# Altium PCB 电解模块主控板_V1.1_ZM_20211015.PcbDoc (part 1 of 4) (continued)
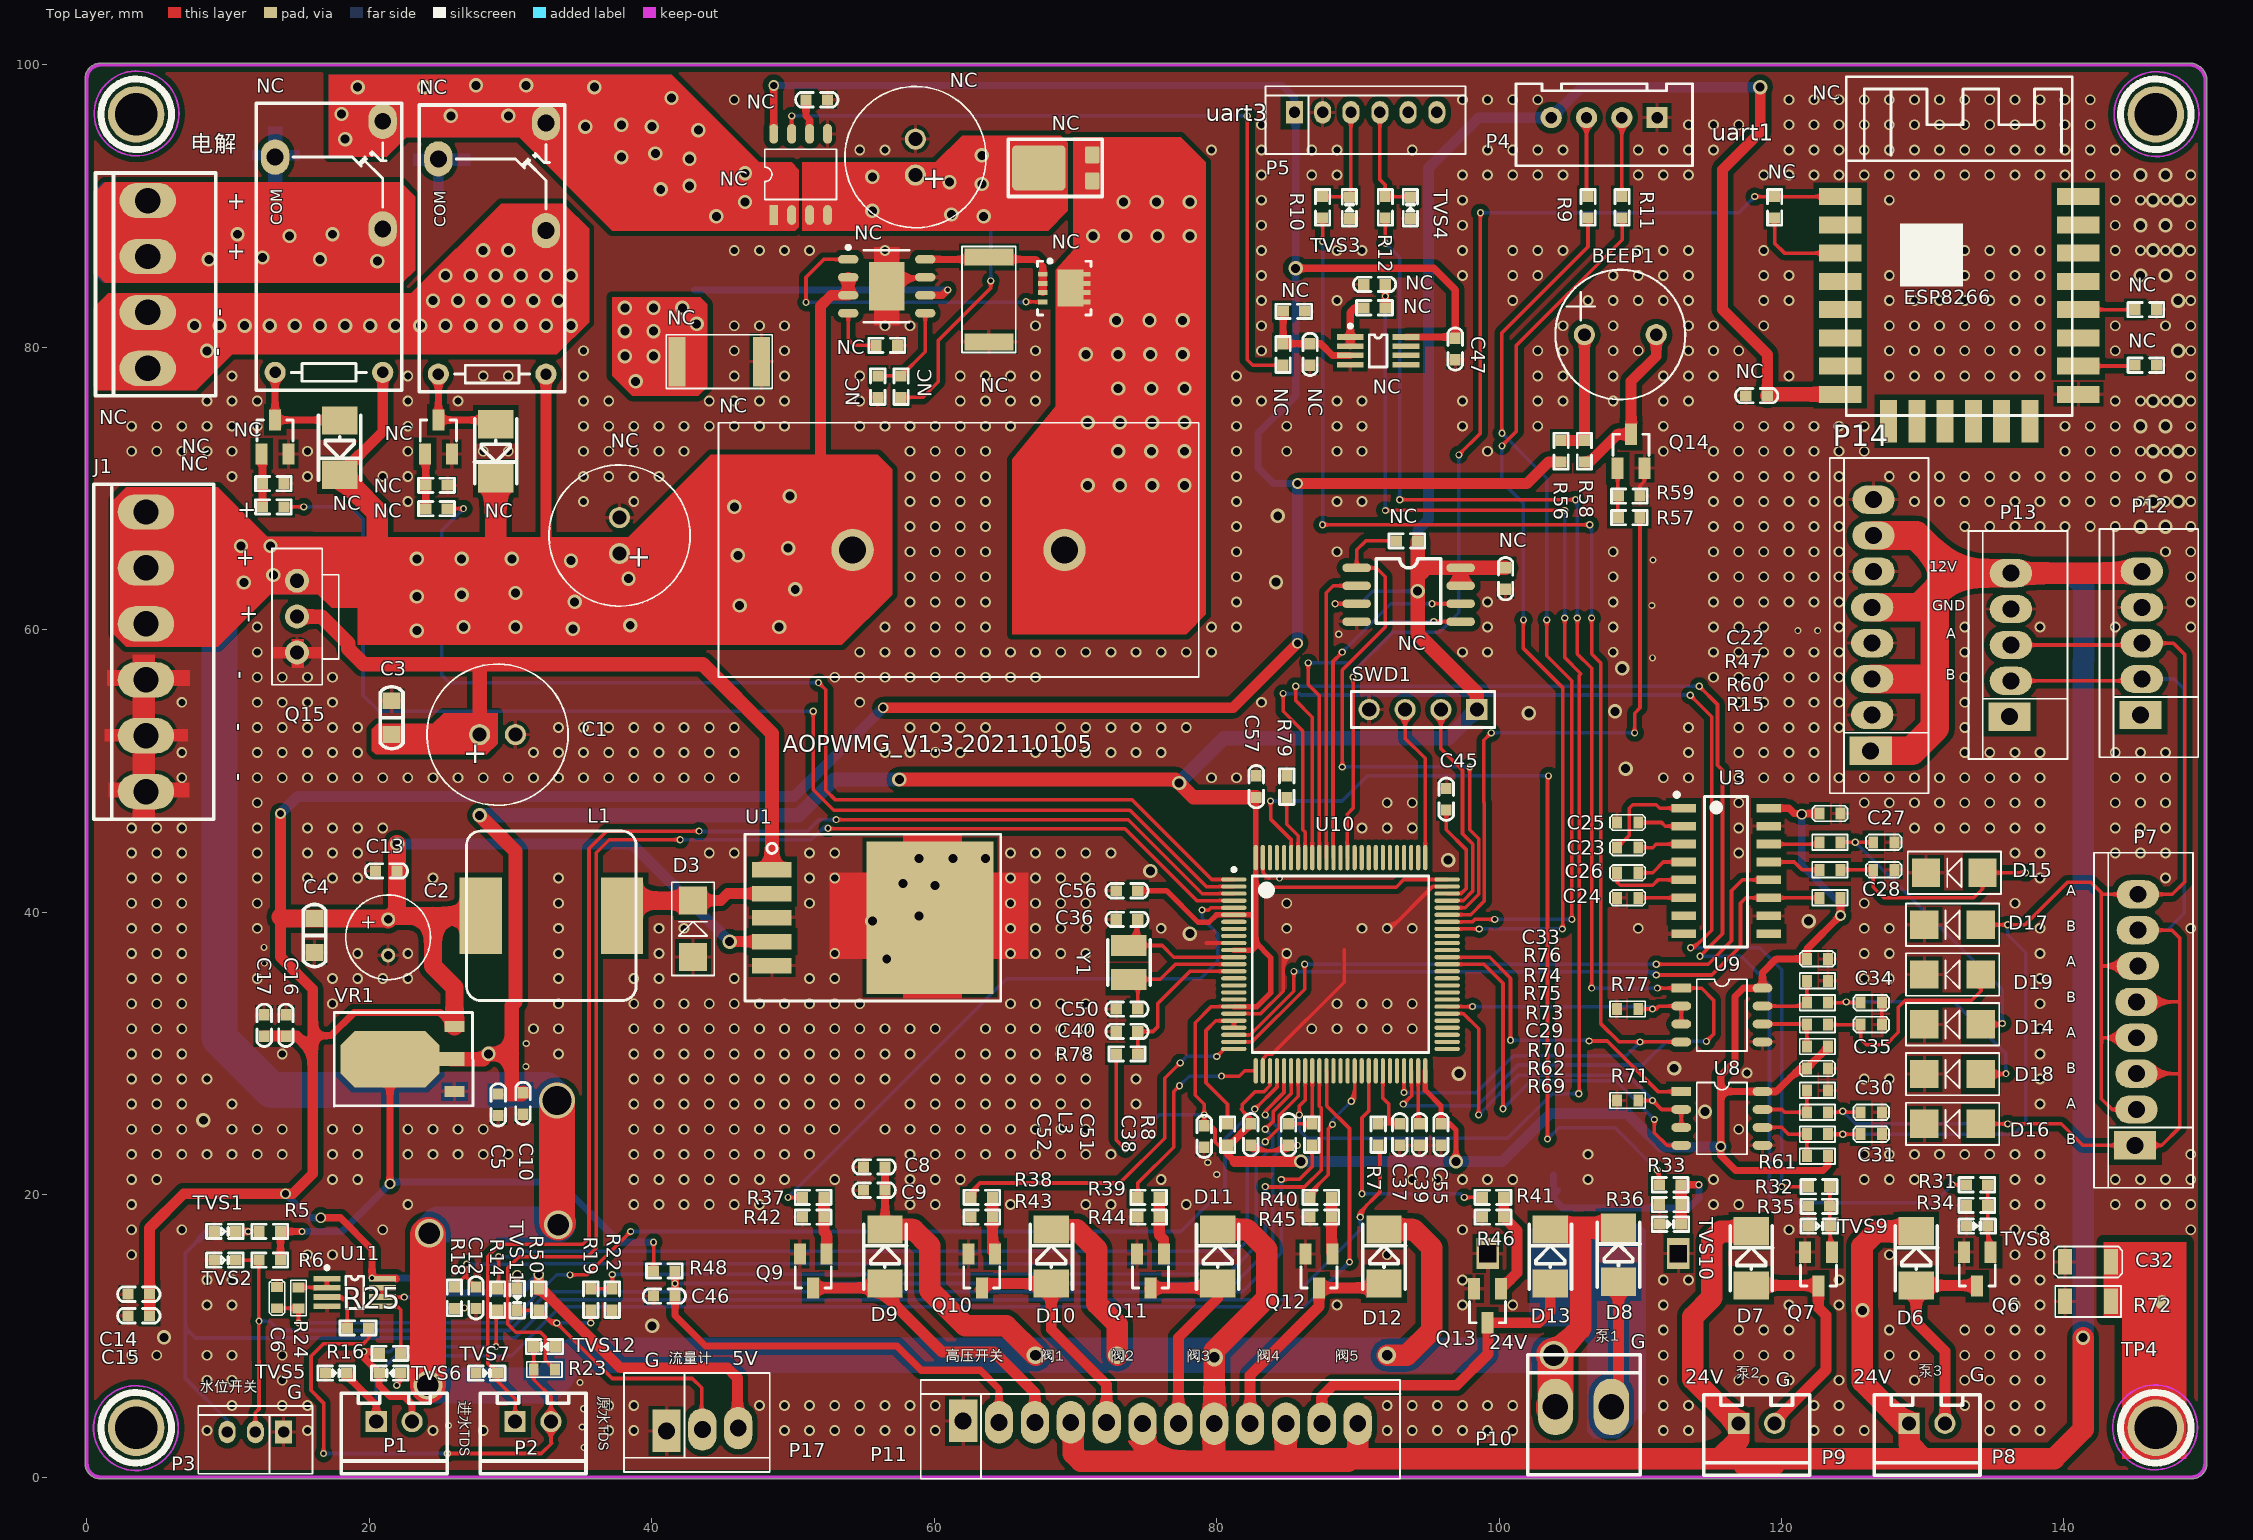
[diagram p0: Top Layer view]
## Components (designator, comment, footprint, x,y, rotation, side; value= is the part's Value field where it differs from the comment) (continued)
NC "10K" SMD-0603 85.471,82.55 r180 top
P1 "XH2.54 2P" SIP-2A 21.768,3.937 r0 top
P2 "XH2.54 2P" SIP-2A 31.598,3.937 r0 top
P3 "1*3P" 3X2MMZ 13.938,3.2 r180 top
P4 "1*4P" XH2.54-4A 107.442,96.266 r180 top
P5 "Header 6" 6X2MMZ 85.511,96.641 r0 top
P7 "Header 8" 8X2.54MMZ 145.034,23.495 r90 top
P8 "SIP-2" SIP-2A 130.302,3.81 r0 top
P9 "SIP-2" SIP-2A 118.237,3.81 r0 top
P10 "SIP-2" VH-AW-3.96*2P 109.93,4.978 r0 top
P11 "Header 12" 12X2.54MMZ 62.052,3.988 r0 top
P12 "Header 5" 5X2.54MMZ 145.415,53.975 r90 top
P13 "Header 5" 5X2.54MMZ 136.144,53.848 r90 top
P14 "Header 8" 8X2.54MMZ 126.316,51.435 r90 top
P17 "1*3P" 3X2.54MMZ2 41.046,3.277 r0 top
Q6 "AO3400" SOT-23 133.858,14.732 r180 top
Q7 "AO3400" SOT-23 122.618,14.732 r180 top
Q8 "AOD538" TO252 106.135,14.284 r0 bottom
Q9 "LH8050QLT1G" SOT-23 51.435,14.605 r180 top
Q10 "LH8050QLT1G" SOT-23 63.373,14.605 r180 top
Q11 "LH8050QLT1G" SOT-23 75.311,14.605 r180 top
Q12 "LH8050QLT1G" SOT-23 87.249,14.605 r180 top
Q13 "LH8050QLT1G" SOT-23 99.187,12.141 r180 top
Q14 "S8050" SOT-23 109.347,72.644 r0 top
Q15 "AOTF4185" TO220 14.884,58.395 r90 top
R5 "10K" SMD-0603 12.954,17.399 r180 top
R6 "10K" SMD-0603 12.954,15.367 r180 top
R7 "10K" SMD-0603 91.44,24.257 r90 top
R8 "10K" SMD-0603 86.741,24.257 r90 top
R9 "10R" SMD-0603 106.299,89.916 r270 top
R10 "100R" SMD-0603 87.503,89.916 r270 top
R11 "10R" SMD-0603 108.712,89.916 r270 top
R12 "100R" SMD-0603 91.948,89.916 r270 top
R14 "2K" SMD-0603 29.083,12.573 r270 top
R15 "4.75K 1%" 0603R 124.182,41.021 r180 top
R16 "10K" SMD-0603 21.463,8.763 r0 top
R18 "4.7K" SMD-0603 26.035,12.7 r270 top
R19 "10K" SMD-0603 35.687,12.573 r90 top
R22 "20K" SMD-0603 37.211,12.573 r90 top
R23 "2K" 0603R 33.147,7.62 r180 top
R24 "4.7K" 0603R 14.986,11.938 r90 top
R25 "10K" SMD-0603 19.202,10.566 r180 top
R31 "100R" SMD-0603 133.833,20.701 r180 top
R32 "100R" SMD-0603 122.657,20.574 r180 top
R33 "100R" SMD-0603 112.116,20.701 r180 top
R34 "10K" SMD-0603 133.833,19.241 r180 top
R35 "10K" SMD-0603 122.657,19.177 r180 top
R36 "10K" SMD-0603 112.116,19.304 r180 top
R37 "1K" SMD-0603 51.435,19.812 r180 top
R38 "1K" SMD-0603 63.373,19.812 r180 top
R39 "1K" SMD-0603 75.184,19.812 r180 top
R40 "1K" SMD-0603 87.376,19.812 r180 top
R41 "1K" SMD-0603 99.568,19.812 r180 top
R42 "10K" SMD-0603 51.435,18.415 r180 top
R43 "10K" SMD-0603 63.373,18.415 r180 top
R44 "10K" SMD-0603 75.184,18.415 r180 top
R45 "10K" SMD-0603 87.376,18.415 r180 top
R46 "10K" SMD-0603 99.568,18.415 r180 top
R47 "22R 5%" 0603R 122.682,44.958 r0 top
R48 "10K" SMD-0603 40.894,14.605 r180 top
R50 "10K" SMD-0603 32.004,12.573 r270 top
R56 "51R" SMD-0603 104.394,72.644 r270 top
R57 "4.7K" SMD-0603 109.22,67.945 r180 top
R58 "1K" SMD-0603 106.045,72.644 r90 top
R59 "47K" SMD-0603 109.22,69.469 r0 top
R60 "22R 5%" 0603R 122.682,43.011 r0 top
R61 "750R 5%" 0603R 121.793,22.733 r0 top
R62 "FSMD010-0603" 0603R 121.793,25.837 r0 top
R69 "FSMD010-0603" 0603R 121.793,24.285 r0 top
R70 "750R 5%" 0603R 121.793,27.39 r0 top
R71 "10K 1%" 0603R 109.855,26.67 r180 top
R72 "10M 5%" 1206r 140.081,12.446 r0 top
R73 "750R 5%" 0603R 121.793,30.494 r0 top
R74 "FSMD010-0603" 0603R 121.793,33.599 r0 top
R75 "FSMD010-0603" 0603R 121.793,32.046 r0 top
R76 "750R 5%" 0603R 121.793,35.151 r0 top
R77 "10K 1%" 0603R 109.855,33.147 r180 top
R78 "10K" SMD-0603 73.66,29.972 r180 top
R79 "100K" SMD-0603 84.963,48.895 r270 top
SWD1 "SIP-4 (NC)" SIP-4 94.615,54.356 r180 top
TP4 "TPS" tpd 146.939,12.395 r90 top
TVS1 "ESD5Z5.0CT1G" SOD-523 9.779,17.399 r0 top
TVS2 "ESD5Z5.0CT1G" SOD-523 9.779,15.367 r0 top
TVS3 "ESD5Z5.0CT1G" SOD-523 89.408,89.891 r90 top
TVS4 "ESD5Z5.0CT1G" SOD-523 93.726,89.891 r90 top
TVS5 "ESD5Z5.0CT1G" SOD-523 17.653,7.366 r0 top
TVS6 "ESD5Z5.0CT1G" SOD-523 21.463,7.366 r180 top
TVS7 "ESD5Z5.0CT1G" SOD-523 28.321,7.366 r0 top
TVS8 "ESD5Z5.0CT1G" SOD-523 133.858,17.78 r0 top
TVS9 "ESD5Z5.0CT1G" SOD-523 122.682,17.78 r0 top
TVS10 "ESD5Z5.0CT1G" SOD-523 112.141,17.907 r0 top
TVS11 "ESD5Z5.0CT1G" SOD-523 30.48,12.573 r270 top
TVS12 "ESD5Z5.0CT1G" SOD-523 32.41,9.246 r180 top
U1 "LM2596S 5.0V" TO-263-5 48.514,39.624 r270 top
U3 "TPT3232E-SO3R" SO-16Z 113.068,47.371 r0 top
U8 "TP8485E-SR/NC" SO-8 112.903,27.305 r0 top
U9 "TP8485E-SR" SO-8 112.903,34.629 r0 top
U10 "GD32F405VGTx" STM-LQFP100_N 88.773,36.322 r0 top
U11 "SGM358YMS/TR" MSOP-8 18.974,13.081 r0 top
VR1 "LM1117 3.3V" SOT223 26.035,27.305 r90 top
Y1 "8MHz" XTAL-3225-2 73.787,36.449 r90 top

## Footprints (in the part's own frame and the unit in brackets; to place one, negate y for a bottom-side part, rotate by r counter-clockwise, add the part's x,y. Pads: shape width x height; smd on the part's side, far side on the other; paste and mask are expansions set on the pad)
3X2.54MMZ2 [mm]
  rect 2x3 hole 1.2: 1(0,0)
  oval 2x3 hole 1.2: 2(2.54,0.1) 3(5.08,0.2)
  silkscreen extent -3,-2.9 7.31,4.1
3X2MMZ [mm]
  rect 1.2x1.6 hole 0.8: 1(0,0)
  oval 1.2x1.6 hole 0.8: 2(2,0) 3(4,0)
  silkscreen extent -2.05,-1.85 6.05,2.95
5X2.54MMZ [mm]
  rect 2x3 hole 1.2: 1(0,0)
  oval 2x3 hole 1.2: 2(2.54,-0.1) 3(5.08,-0.1) 4(7.62,-0.1) 5(10.16,-0.1)
  silkscreen extent -3,-4.1 13.16,2.9
6*8 [mm]
  round 1 hole 0.6: 1(1.27,0) 2(-1.27,0)
  silkscreen extent -3,-3 3,3
6X2MMZ [mm]
  rect 1.2x1.6 hole 0.8: 1(0,0)
  oval 1.2x1.6 hole 0.8: 2(2,0) 3(4,0) 4(6.05,0) 5(8.05,0) 6(10.08,0)
  silkscreen extent -2.05,-2.95 12.12,1.85
8X2.54MMZ [mm]
  rect 2x3 hole 1.2: 1(0,0)
  oval 2x3 hole 1.2: 2(2.54,-0.1) 3(5.08,-0.1) 4(7.62,-0.1) 5(10.16,-0.1) 6(12.7,-0.2) 7(15.24,-0.2) 8(17.78,-0.2)
  silkscreen extent -3,-4.1 20.73,2.9
10*16 [mm]
  round 1.5 hole 1: 1(1.27,0) 2(-1.27,0)
  silkscreen extent -5,-5 5,5
12X2.54MMZ [mm]
  rect 2x3 hole 1.2: 1(0,0)
  oval 2x3 hole 1.2: 2(2.54,-0.1) 3(5.08,-0.1) 4(7.62,-0.1) 5(10.16,-0.1) 6(12.7,-0.2) 7(15.24,-0.2) 8(17.78,-0.2) 9(20.32,-0.2) 10(22.86,-0.2) 11(25.4,-0.2) 12(27.94,-0.2)
  silkscreen extent -3,-4.1 30.99,2.9
0603C [mm]
  rect 0.7x0.85 smd: 1(0,0) 2(1.5,0)
  silkscreen extent -0.5,-0.55 2,0.55
0603R [mm]
  rect 0.7x0.85 smd: 1(0,0) 2(1.5,0)
  silkscreen extent -0.5,-0.55 2,0.55
1206C [mm]
  rect 1x1.8 smd: 1(0,0) 2(3.25,0)
  silkscreen extent -0.8,-1.1 4.05,1.1
1206r [mm]
  rect 1x1.8 smd: 1(0,0) 2(3.25,0)
  silkscreen extent -0.7,-1.1 3.95,1.1
2512R [mm]
  rect 1.2x3.5 smd: 1(0,0) 2(6,0)
  silkscreen extent -0.75,-1.9 6.75,1.9
2512r [mm]
  rect 1.2x3.5 smd: 1(0,0) 2(6,0)
  silkscreen extent -0.75,-1.9 6.75,1.9
BEEP-9.5X5.5 [mm]
  round 1.5 hole 0.9: 1(-2.54,0) 2(2.54,0)
  silkscreen extent -4.6,-4.6 4.6,4.6
CDRH-127 [mm]
  rect 3x5.4 smd: 1(-5,0) 2(5,0)
  silkscreen extent -6,-6 6,6, body extent -6,-6 6,6, height 8.2
DFN3*3-8 [mm]
  rect 0.35x0.65 smd: 1(0.975,-1.525) 2(-0.975,1.525) 2(-0.325,1.525) 2(0.325,1.525) 2(0.975,1.525) 3(-0.975,-1.525) 3(-0.325,-1.525) 3(0.325,-1.525)
  rect 2.6x1.84 smd: 2(0,0.45)
  silkscreen extent -2.03,-1.9 1.9,1.9, body extent -1.75,-1.75 1.75,1.75, height 0.8
DO-214-AC [mm]
  rect 2x2.5 smd: 1(-1.915,0) 2(1.915,0)
  silkscreen extent -2.3,-1.52 2.3,1.5, body extent -2.3,-1.35 2.3,1.35, height 2.4
ESP-12F [mm]
  rect 3x1.2 smd: 1(0.203,0) 2(0.203,-2) 3(0.203,-4) 4(0.203,-6) 5(0.203,-8) 6(0.203,-10) 7(0.203,-12) 8(0.203,-14) 15(17.069,-14) 16(17.069,-12) 17(17.069,-10) 18(17.069,-8) 19(17.069,-6) 20(17.069,-4) 21(17.069,-2) 22(17.069,0)
  rect 1.2x3 smd: 9(3.632,-15.9) 10(5.632,-15.9) 11(7.632,-15.9) 12(9.632,-15.9) 13(11.632,-15.9) 14(13.632,-15.9)
  silkscreen extent 0.63,-15.49 16.64,8.49
G5Q-14 [mm]
  oval 2.5x2 hole 1.2: 1(1.27,-3.81) 2(8.89,-3.81) 3(6.35,3.81)
  round 1.5 hole 0.8: 4(-8.89,3.81) 5(-8.89,-3.81)
  silkscreen extent -10.15,-5.15 10.17,5.15, body extent -9.9,-4.95 9.9,4.95, height 15.91
INDUCTOR_34*18 [mm]
  round 3 hole 1.9: 1(0,0) 2(15,0)
  silkscreen extent -9.5,-9 24.5,9
MSOP-8 [mm]
  rect 1.9x0.4 smd: 1(-1.975,0.975) 2(-1.975,0.325) 3(-1.975,-0.325) 4(-1.975,-0.975) 5(1.975,-0.975) 6(1.975,-0.325) 7(1.975,0.325) 8(1.975,0.975)
  silkscreen extent -2.1,-1.14 0.64,1.87, body extent -2.45,-1.5 2.45,1.5, height 1.15
SIP-2A [mm]
  rect 1.5x1.5 hole 1: 1(-1.27,0)
  round 1.5 hole 1: 2(1.27,0)
  silkscreen extent -3.75,-3.68 3.75,2.02, body extent -3.7,-3.81 3.7,2.29, height 7.5
SIP-4 [mm]
  rect 1.5x1.5 hole 1: 1(-3.81,0)
  round 1.5 hole 1: 2(-1.27,0) 3(1.27,0) 4(3.81,0)
  silkscreen extent -5.08,-1.27 5.08,1.27
SMA [mm]
  rect 2x2 smd: 1(0,0) 2(4,0)
  silkscreen extent -1.3,-1.5 5.3,1.5
SMD-0603 [mil]
  rect 31.5x30 smd: 1(-30,0) 2(30,0)
  silkscreen extent -50,-20 50,20, body extent -31,-16 31,16, height 18
SMD-0603C [mil] "贴片电容"
  rect 31.5x30 smd: 1(-30,0) 2(30,0)
  silkscreen extent -59,-20 59,20, body extent -31,-16 31,16
SMD-0805C [mm]
  rect 1.2x1.27 smd: 1(-1.2,0) 2(1.2,0)
  silkscreen extent -2.2,-0.8 2.2,0.8, body extent -1.42,-0.67 1.58,0.73, height 0.93
SO-8 [mil]
  rect 55x25 smd: 1(0,0)
  oval 55x25 smd: 2(0,-50) 3(0,-100) 4(0,-150) 5(226.38,-150) 6(226.38,-100) 7(226.38,-50) 8(226.38,0)
  silkscreen extent 43,-175 183,25
SO-8W [mil]
  oval 80x24 smd: 1(0,0) 2(0,-50) 3(0,-100) 4(0,-150) 5(290,-150) 6(290,-100) 7(290,-50) 8(290,0)
  silkscreen extent 55,-155 235,25
SO-16Z [mil]
  rect 68x24 smd: 1(0,0) 2(0,-50) 3(0,-100) 4(0,-150) 5(0,-200) 6(0,-250) 7(0,-300) 8(0,-350) 9(237.11,-350) 10(237.11,-300) 11(237.11,-250) 12(237.11,-200) 13(237.11,-150) 14(237.11,-100) 15(237.11,-50) 16(237.11,0)
  silkscreen extent -19,-387 178,38
SOD-523 [mil]
  rect 31.5x30 smd: 1(-30,0) 2(30,0)
  silkscreen extent -51,-20 51,20, body extent -31,-16 31,16, height 26
SOP127P600X265_HS-9N [mm] "SOP, 8-Leads, Body 4.90x3.90mm, Pitch 1.27mm, Thermal Pad 3.40x2.52mm, IPC Medium Density"
  oval 1.45x0.6 smd: 1(-2.725,1.905) 2(-2.725,0.635) 3(-2.725,-0.635) 4(-2.725,-1.905) 5(2.725,-1.905) 6(2.725,-0.635) 7(2.725,0.635) 8(2.725,1.905)
  rect 2.52x3.4 smd: 9(0,0)
  silkscreen extent -2.85,-2.55 1.6,2.88, body extent -2,-2.55 2,2.55, height 2.65
SOT223 [mm]
  rect 0.8x1.4 smd: 1(0,0) 3(4.6,0)
  rect 1x1.854 smd: 2(2.3,0.227)
  oct 4x7 smd: 4(2.286,4.572)
  silkscreen extent -1.02,-1.3 5.59,8.51
SOT-23 [mm]
  rect 0.85x1.5 smd: 1(-0.95,-1.2) 2(0.95,-1.2) 3(0,1.2)
  silkscreen extent -1.27,-0.3 1.28,1.2, body extent -1.45,-1.4 1.45,1.4, height 1.2
STM-LQFP100_N [mm] "Thin QFP, 100-Leads, Body 14x14mm, Pitch 0.5mm, IPC Medium Density"
  oval 1.8x0.3 smd: 1(-7.55,6) 2(-7.55,5.5) 3(-7.55,5) 4(-7.55,4.5) 5(-7.55,4) 6(-7.55,3.5) 7(-7.55,3) 8(-7.55,2.5) 9(-7.55,2) 10(-7.55,1.5) 11(-7.55,1) 12(-7.55,0.5) 13(-7.55,0) 14(-7.55,-0.5) 15(-7.55,-1) 16(-7.55,-1.5) 17(-7.55,-2) 18(-7.55,-2.5) 19(-7.55,-3) 20(-7.55,-3.5) 21(-7.55,-4) 22(-7.55,-4.5) 23(-7.55,-5) 24(-7.55,-5.5) 25(-7.55,-6) 51(7.55,-6) 52(7.55,-5.5) 53(7.55,-5) 54(7.55,-4.5) 55(7.55,-4) 56(7.55,-3.5) 57(7.55,-3) 58(7.55,-2.5) 59(7.55,-2) 60(7.55,-1.5) 61(7.55,-1) 62(7.55,-0.5) 63(7.55,0) 64(7.55,0.5) 65(7.55,1) 66(7.55,1.5) 67(7.55,2) 68(7.55,2.5) 69(7.55,3) 70(7.55,3.5) 71(7.55,4) 72(7.55,4.5) 73(7.55,5) 74(7.55,5.5) 75(7.55,6)
  oval 0.3x1.8 smd: 26(-6,-7.55) 27(-5.5,-7.55) 28(-5,-7.55) 29(-4.5,-7.55) 30(-4,-7.55) 31(-3.5,-7.55) 32(-3,-7.55) 33(-2.5,-7.55) 34(-2,-7.55) 35(-1.5,-7.55) 36(-1,-7.55) 37(-0.5,-7.55) 38(0,-7.55) 39(0.5,-7.55) 40(1,-7.55) 41(1.5,-7.55) 42(2,-7.55) 43(2.5,-7.55) 44(3,-7.55) 45(3.5,-7.55) 46(4,-7.55) 47(4.5,-7.55) 48(5,-7.55) 49(5.5,-7.55) 50(6,-7.55) 76(6,7.55) 77(5.5,7.55) 78(5,7.55) 79(4.5,7.55) 80(4,7.55) 81(3.5,7.55) 82(3,7.55) 83(2.5,7.55) 84(2,7.55) 85(1.5,7.55) 86(1,7.55) 87(0.5,7.55) 88(0,7.55) 89(-0.5,7.55) 90(-1,7.55) 91(-1.5,7.55) 92(-2,7.55) 93(-2.5,7.55) 94(-3,7.55) 95(-3.5,7.55) 96(-4,7.55) 97(-4.5,7.55) 98(-5,7.55) 99(-5.5,7.55) 100(-6,7.55)
  silkscreen extent -7.67,-6.25 6.25,6.82, body extent -7,-7 7,7, height 1.6
TO220 [mm]
  round 1.7 hole 1: 1(0,0) 2(2.54,0) 3(5.08,0)
  silkscreen extent -2.29,-2.95 7.37,1.78
TO227 [mm] "DPAK"
  rrect20% 1.2x1 smd: 1(-0.92,-3.25) 1(0.92,-3.25)
  rrect20% 3.2x3.8 smd: 2(0,0.533)
  silkscreen extent -2.02,-3.96 2.04,2.69
TO252 [mm] "DPAK"
  rrect20% 1.5x2.5 smd: 1(-2.3,-6.9) 2(2.3,-6.9)
  rrect20% 7x7 smd: 3(0,0)
  rect 1.6x2.2 hole 1.2 square: 4(-6.934,-1.549) 5(6.566,-1.549)
  silkscreen extent -6.88,-8.46 6.6,3.8, body extent -3.37,-7.38 3.36,2.72, height 2.37
TO-263-5 [mm]
  rect 1.1x2.8 smd: 1(-3.4,0) 2(-1.7,0) 3(0,0) 4(1.7,0) 5(3.4,0)
  rect 10.8x9 smd: 6(0,11.2)
  silkscreen extent -5.9,-1.9 5.9,16.2, body extent -5.08,-0.32 5.08,14.32, height 4.57
tpd [mm]
  round 1 smd: 1(0,0)
VH-AW-3.96*2P [mm]
  oval 2.5x4 hole 1.8: 1(-5.94,0) 2(-1.98,0)
  silkscreen extent -7.89,-4.8 0.08,3.7
VH-AW-3.96*4P [mm]
  oval 2.5x4 hole 1.8: 1(-5.94,0) 2(-1.98,0) 3(1.98,0) 4(5.94,0)
  silkscreen extent -7.89,-4.8 7.89,3.7, body extent -7.89,-4.7 7.89,3.8, height 11.2
VH-AW-3.96*6P [mm]
  oval 2.5x4 hole 1.8: 1(-5.94,0) 2(-1.98,0) 3(1.98,0) 4(5.94,0) 5(9.9,0) 6(13.86,0)
  silkscreen extent -7.89,-4.8 15.82,3.7
XH2.54-4A [mm]
  rect 1.5x1.5 hole 0.8: 1(-3.75,0)
  round 1.5 hole 0.8: 2(-1.25,0) 3(1.25,0) 4(3.75,0)
  silkscreen extent -6.25,-2.4 6.25,3.4, body extent -6.2,-2.35 6.2,3.4, height 7.1
XTAL-3225-2 [mm]
  rect 1.5x2.5 smd: 1(-1.2,0) 2(1.2,0)
  silkscreen extent -1.6,-1.5 1.6,1.5, body extent -1.6,-1.25 1.6,1.25, height 0.9

## Part data
C1 C2 NC NC: library part CAP2, "电解电容"
C3 C4 C6 C8 C9 C10 C12 C13 C46 NC NC: library part CAP4, "贴片电容 10%"
C5 C14 C15 C16 C17 C37 C38 C39 C40 C45 C51 C52 C55 C56 C57 NC NC: library part CAP4, "贴片电容 20%"
C22 C23 C24 C25 C26 C27 C28 C29 C30 C31 C32 C33 C34 C35: library part CAP
C36 C50: library part CAP4, "贴片电容 5%"
C47: library part "0805 22uF (226) 20% 25V", "贴片电容 10%"
D3: library part DIODE
D6 D7 D8 D9 D10 D11 D12 D13 NC NC: library part DIODE2, "贴片二极管"
D14 D15 D16 D17 D18 D19: library part D_ESD
L1: library part IND
L3: library part CIZHU1, "磁珠电感 100R 100MHz"
NC: library part C, "贴片电容 10%"
NC: library part DIODE2, "肖特基二极管"
NC: library part Inductor1, "10uH 1A"
NC NC Q9 Q10 Q11 Q12 Q13: library part NPN-1, "三极管"
NC Q6 Q7 Q8 Q15: library part "MOSFET N", "MOSFET N"
NC NC NC NC NC: library part R, "贴片电阻 5%"
NC NC NC NC NC NC NC NC R9 R10 R11 R12 R78 R79: library part RES2, "贴片电阻 5%"
NC R18 R24 R56 R57 R58 R59: library part RES0, "贴片电阻 5%"
NC NC R5 R6 R7 R8 R14 R16 R23 R25: library part RES0, "贴片电阻 1%"
NC: library part LM358, "运算放大器"
NC: library part ACS712, "HALL 20A 电流传感器"
NC NC: library part JDQ1, "5V 继电器"
NC: "3.96 4P 直插"
NC: library part ESP8266
NC: library part W25Q128FV
P1 P2: library part SIP-2, "XH2.54 2P 直插"
P3 P17: library part HDR1*3
P4: library part HDR1*4
P5: "Header, 6-Pin"
P7 P14: "Header, 8-Pin"
P8 P9 P10: "XH2.54 2P 立贴"
P11: "Header, 12-Pin"
P12 P13: "Header, 5-Pin"
Q14: library part NPN-1, "NPN"
R15 R47 R60 R61 R62 R69 R70 R71 R72 R73 R74 R75 R76 R77: library part RES
R19 R22 R50: library part "0603 10KΩ (1002) 1%", "贴片电阻 5%"
R31 R32 R33 R34 R35 R36 R37 R38 R39 R40 R41 R42 R43 R44 R45 R46 R48: library part RES-SOP, "贴片电阻 5%"
SWD1: library part SIP-4, "ISP 下载"
TVS1 TVS2 TVS3 TVS4 TVS5 TVS6 TVS7 TVS8 TVS9 TVS10 TVS12: library part TVS-1, "TVS"
TVS11: library part TVS-1, "TVS 5.0V"
U1: library part LM2596
U8: library part TP8485E-SR
U10: library part STM32F405VGTx
U11: library part LM358, "运放"
VR1: library part LM1117, "三端稳压器"
Y1: library part XTAL, "3225 贴片晶振"

## Free pads (board coordinates)
  round 4 hole 3: 0(3.5,3.5) 0(3.5,96.5) 0(146.5,3.5) 0(146.5,96.5)

## Via types
v1: diameter 0.762, hole 0.508, Top Layer to Bottom Layer, tented both sides, 1181 vias
v2: diameter 1.016, hole 0.635, Top Layer to Bottom Layer, tented both sides, 189 vias
v3: diameter 0.508, hole 0.305, Top Layer to Bottom Layer, tented both sides, 149 vias
v4: diameter 2.032, hole 1.524, Top Layer to Bottom Layer, tented both sides, 4 vias
v5: diameter 1.27, hole 0.762, Top Layer to Bottom Layer, tented both sides, 4 vias
v6: diameter 2.54, hole 2.032, Top Layer to Bottom Layer, tented both sides, 1 vias

## Nets (pads, with @x,y where several pads share a name; then routed paths per layer and width w, separated by ;. In a path a pad name is that pad's centre, name@x,y a point inside that pad or via, vN(x,y) a via of type N, cw(c..) or ccw(c..) an arc to the next point about the centre after c; other vN are vias at no path point)
3.3V: C5.2 C10.2 C22.1 C29.1 C33.1 C51.2 C52.2 C55.2 C56.2 C57.2 L3.1 NC.1@94.234,66.294 NC.1@100.457,64.389 NC.2@118.999,76.581 NC.3@89.916,61.849 NC.7@97.282,63.119 NC.8@97.282,64.389 NC.8@124.155,76.678 P4.4 R5.1 R6.1 R15.1 R48.2 R61.2 R73.2 R78.2 SWD1.1 U3.16 U8.8 U9.8 U10.6 U10.11 U10.19 U10.28 U10.50 U10.75 U10.100 VR1.2 VR1.4 | length 466.2
  Top Layer w0.254: R48.2@39.952,14.785 ccw(c39.519,15.218) 40.132,15.218 ccw(c40.745,15.218) R48.2@40.312,14.785 ; v3@40.042,16.547 cw(c39.825,16.33) 40.132,16.33 cw(c40.439,16.33) v3@40.222,16.547 ; R48.2@40.132,14.605 v3(40.132,16.637) ; R78.2@72.718,29.792 cw(c72.285,29.359) 72.898,29.359 cw(c73.511,29.359) R78.2@73.078,29.792 ; R78.2@72.898,29.972 72.898,23.876 v3(73.533,23.241) ; v3@73.406,23.241 ccw(c73.099,23.241) 73.316,23.458 ccw(c73.533,23.675) v3@73.533,23.368 ; C52.2@78.941,25.091 ccw(c78.508,25.524) 79.121,25.524 ccw(c79.734,25.524) C52.2@79.301,25.091 ; v3@79.031,25.564 cw(c78.814,25.347) 79.121,25.347 cw(c79.428,25.347) v3@79.211,25.564 ; v3@79.031,25.744 ccw(c78.814,25.961) 79.121,25.961 ccw(c79.428,25.961) v3@79.211,25.744 ; C52.2@79.275,24.671 cw(c79.559,24.295) 79.892,24.629 ; C52.2@79.324,24.74 cw(c79.629,24.511) 79.629,24.892 ; C52.2@79.324,25.044 ccw(c79.629,25.273) 79.629,24.892 ; 79.687,24.834 ccw(c79.382,24.53) 79.121,24.873 cw(c79.316,24.162) 79.838,24.683 ; L3.1@80.592,23.315 ccw(c80.159,22.882) 80.159,23.495 ccw(c80.159,24.108) L3.1@80.592,23.675 ; L3.1@80.772,23.495 80.137,23.495 79.883,23.749 79.883,24.638 79.629,24.892 ; U10.19@81.223,33.322 79.629,33.322 78.486,32.179 78.486,27.051 79.121,26.416 v3(79.121,25.654) C52.2@79.121,24.892 79.629,24.892 ; 81.751,26.046 cw(c80.743,25.038) C51.2@82.169,25.038 ; 82.185,25.613 cw(c81.61,25.038) C51.2@82.423,25.038 ; C51.2@82.423,25.019 82.423,25.375 81.813,25.984 81.813,26.391 82.728,27.305 83.363,27.305 83.773,27.715 U10.28@83.773,28.772 ; 82.773,41.783 92.71,41.783 93.249,42.322 U10.75@96.323,42.322 ; v3(88.392,61.849) NC.3@89.916,61.849 ; v3@88.482,61.759 cw(c88.699,61.542) 88.699,61.849 cw(c88.699,62.156) v3@88.482,61.939 ; NC.3@89.079,61.723 ccw(c88.776,61.42) 88.776,61.849 ccw(c88.776,62.278) NC.3@89.079,61.975
  Top Layer w0.381: C56.2@74.422,41.529 76.454,41.529 78.689,39.294 79.459,39.294 79.98,39.815 80.333,39.815 80.34,39.822 U10.6@81.223,39.822 82.479,39.822 82.773,39.528 ; C56.2@74.576,41.394 cw(c74.901,41.069) 74.901,41.529 cw(c74.901,41.989) C56.2@74.576,41.664 ; U10.19@81.223,33.322 82.852,33.322 83.82,34.29 83.82,36.799 82.773,37.846 ; U10.11@81.223,37.322 82.534,37.322 82.773,37.561 82.773,37.846 ; C57.2@82.669,47.979 cw(c82.419,47.729) 82.773,47.729 ; 82.773,47.579 cw(c83.339,47.579) C57.2@82.939,47.979 ; C57.2@82.804,48.133 82.773,48.102 U10.100@82.773,43.872 82.773,41.783 82.773,39.528 ; U10.50@94.773,28.772 94.773,27.401 95.885,26.289 C55.2@95.885,25.019 96.52,25.019 96.952,24.587 v2(96.952,22.352) ; C55.2@95.75,25.173 ccw(c95.425,25.498) 95.885,25.498 ccw(c96.345,25.498) C55.2@96.02,25.173 ; C55.2@96.02,24.884 cw(c96.345,24.559) 96.345,25.019 cw(c96.345,25.479) C55.2@96.02,25.154 ; v2@96.727,22.577 ccw(c96.185,23.119) 96.952,23.119 ccw(c97.718,23.119) v2@97.176,22.577 ; 82.773,37.846 82.773,39.528
  Top Layer w0.508: R6.1@13.716,15.367 R5.1@13.716,17.399 v3(15.24,17.399) ; v1(21.463,20.777) VR1.4@21.463,29.591 ; L3.1@80.772,23.641 ccw(c80.772,24.3) 81.238,23.834 ; L3.1@80.881,23.41 ccw(c81.405,23.093) 80.972,22.66 ; 81.28,22.352 80.772,22.86 L3.1@80.772,23.495 80.899,23.495 C51.2@82.423,25.019 ; U3.16@119.091,47.371 120.523,47.371 120.904,46.99 C22.1@122.682,46.99 ; 120.61,28.281 cw(c121.793,27.098) C29.1@121.793,28.771 ; 120.764,47.13 ccw(c121.122,47.487) v1@121.374,47.049 ; 121.008,46.99 cw(c121.008,46.51) v1@121.348,46.849 ; 121.01,28.681 cw(c121.521,28.17) C29.1@121.761,28.851 ; v1@121.527,46.849 cw(c121.867,46.51) 121.867,46.99 ; C29.1@121.793,29.113 ccw(c121.793,29.526) C29.1@122.085,29.234 ; R61.2@123.293,22.733 123.293,22.074 122.936,21.717 116.756,21.717 115.697,22.776 v1(115.697,23.419) 115.697,27.305 ; R73.2@123.293,30.494 123.293,30.442 C29.1@121.793,28.942 121.271,28.942 119.634,27.305 U8.8@118.653,27.305 115.697,27.305 ; R15.1@124.182,41.021 v1(124.182,39.778) 121.793,37.389 C33.1@121.793,36.703 119.634,36.703 118.653,35.722 U9.8@118.653,34.629 117.306,34.629 116.713,34.036 116.713,29.462 115.697,28.446 115.697,27.305
  Top Layer w0.762: 81.28,22.352 v2(85.979,22.352) ; v2(118.491,98.425) 118.491,95.25 115.824,92.583 115.824,82.677 118.999,79.502 NC.2@118.999,76.581
  Top Layer w1.016: VR1.2@25.808,29.605 28.081,29.605 v2(28.448,29.972) ; 27.562,29.605 ccw(c27.562,30.858) v2(28.448,29.972) ; v2(27.813,46.863) 30.353,44.323 30.353,33.655 30.099,33.401 30.099,29.972 ; C10.2@30.886,27.229 30.785,27.127 29.972,27.127 30.099,27.254 30.099,29.972 ; v2(57.531,49.403) 77.089,49.403 v2(77.343,49.149) ; 76.73,49.403 cw(c76.73,48.536) v2(77.343,49.149) ; C57.2@82.804,48.133 78.359,48.133 v2(77.343,49.149) ; NC.1@94.234,66.294 v2(94.234,62.738) 94.234,59.69 98.425,55.499 SWD1.1@98.425,54.356 ; 94.488,64.008 94.869,64.389 NC.8@97.282,64.389 ; NC.7@97.282,63.373 NC.8@97.282,64.389 ; NC.1@100.457,64.389 NC.8@97.282,64.389 ; NC.2@118.999,76.581 119.096,76.678 NC.8@124.155,76.678 ; v2(28.448,29.972) 30.099,29.972
  Bottom Layer w0.254: v3(73.533,23.241) 75.946,25.654 v3(79.121,25.654) ; v3@73.533,23.368 ccw(c73.533,23.675) 73.75,23.458 ccw(c73.967,23.241) v3@73.66,23.241 ; v3@79.031,25.564 ccw(c78.814,25.347) 78.814,25.654 ccw(c78.814,25.961) v3@79.031,25.744 ; v3(88.392,61.849) 90.17,61.849 91.059,62.738 v2(94.234,62.738) ; v3@88.482,61.759 cw(c88.699,61.542) 88.699,61.849 cw(c88.699,62.156) v3@88.482,61.939
  Bottom Layer w0.508: v3(15.24,17.399) 18.085,17.399 v1(21.463,20.777) 21.593,20.907 33.429,20.907 37.699,16.637 v3(40.132,16.637) ; v1(121.437,46.939) 121.437,43.332 124.182,40.588 v1(124.182,39.778)
  Bottom Layer w0.762: v2(85.979,22.352) v2(96.952,22.352) 100.228,22.352 103.632,25.756 109.068,25.756 111.455,23.368 113.995,23.368 ; v2(94.234,62.738) 94.234,67.056 94.996,67.818 94.996,92.71 98.552,96.266 P4.4@103.692,96.266 105.851,98.425 v2(118.491,98.425) ; P4.4@103.431,96.005 ccw(c102.801,95.375) 102.801,96.266 ccw(c102.801,97.157) P4.4@103.431,96.527 ; P4.4@103.692,96.635 ccw(c103.692,97.526) 104.322,96.896 ccw(c104.952,96.266) P4.4@104.061,96.266 ; 113.995,23.393 v1@115.748,23.393
  Bottom Layer w1.016: v2(27.813,46.863) 50.394,46.863 52.934,49.403 v2(57.531,49.403) ; v2(77.343,49.149) 80.518,52.324 96.393,52.324 SWD1.1@98.425,54.356
ADC_ELE: NC.1@91.948,82.804 NC.2@91.948,84.455 U10.33 | length 102.3
  Top Layer w0.254: v3@85.762,25.744 ccw(c85.545,25.961) 85.852,25.961 ccw(c86.159,25.961) v3@85.942,25.744 ; v3(85.852,25.654) 85.852,26.289 86.273,26.71 U10.33@86.273,28.772 ; v3(91.948,68.453) v3(104.648,68.453) ; v3@92.038,68.363 cw(c92.255,68.146) 92.255,68.453 cw(c92.255,68.76) v3@92.038,68.543 ; v3@104.558,60.743 cw(c104.341,60.526) 104.648,60.526 cw(c104.955,60.526) v3@104.738,60.743 ; v3@104.558,68.363 ccw(c104.341,68.146) 104.341,68.453 ccw(c104.341,68.76) v3@104.558,68.543 ; v3(104.648,60.833) 104.648,58.039 105.791,56.896 105.689,56.794 105.689,27.203 v3(105.639,27.153) ; v3@105.549,27.242 ccw(c105.209,27.582) 105.689,27.582
  Top Layer w0.508: NC.1@91.948,82.804 v3(91.948,83.629) NC.2@91.948,84.455
  Bottom Layer w0.254: v3@85.762,25.564 cw(c85.545,25.347) 85.852,25.347 cw(c86.159,25.347) v3@85.942,25.564 ; v3(85.852,25.654) 85.852,24.571 86.428,23.995 100.601,23.995 103.759,27.153 v3(105.639,27.153) ; v3@91.858,68.543 ccw(c91.641,68.76) 91.948,68.76 ccw(c92.255,68.76) v3@92.038,68.543 ; v3@91.858,83.54 cw(c91.641,83.323) 91.948,83.323 cw(c92.255,83.323) v3@92.038,83.54 ; v3(91.948,68.453) v3(91.948,83.629) ; v3@104.558,60.923 ccw(c104.341,61.14) 104.648,61.14 ccw(c104.955,61.14) v3@104.738,60.923 ; v3@104.558,68.363 cw(c104.341,68.146) 104.648,68.146 cw(c104.955,68.146) v3@104.738,68.363 ; v3(104.648,60.833) v3(104.648,68.453) ; v3@105.549,27.063 ccw(c105.332,26.846) 105.332,27.153 ccw(c105.332,27.459) v3@105.549,27.242
CVALUE1O2: D9.1 P11.3 Q9.3 | length 21.6
  Top Layer w0.762: Q9.3@51.435,13.405 56.214,13.405 D9.1@56.515,13.706 56.515,12.903 60.554,8.865 64.237,8.865 67.132,5.969 P11.3@67.132,3.888
CVALUE2O2: D10.1 P11.5 Q10.3 | length 21.4
  Top Layer w0.762: Q10.3@63.246,13.278 Q10.3@63.373,13.405 63.674,13.706 D10.1@68.294,13.706 68.294,10.471 72.212,6.553 P11.5@72.212,3.888 ; D10.1@67.607,13.268 ccw(c66.55,12.212) 66.55,13.706 ccw(c66.55,15.2) D10.1@67.607,14.144 ; D10.1@67.857,13.268 cw(c66.8,12.212) 68.294,12.212 cw(c69.789,12.212) D10.1@68.732,13.268
CVALUE3O2: D11.1 P11.7 Q11.3 | length 17.7
  Top Layer w0.762: P11.7@77.292,3.788 77.292,9.881 80.073,12.662 ; D11.1@79.776,13.163 cw(c79.503,12.662) 80.073,12.662 ; D11.1@80.371,13.163 ccw(c80.644,12.662) 80.073,12.662 ; Q11.3@75.311,13.405 75.311,13.183 75.279,13.151 75.279,13.373 Q11.3@75.311,13.405 ; Q11.3@75.311,13.405 79.772,13.405 D11.1@80.073,13.706 80.073,12.662
CVALUE4O2: D12.1 P11.9 Q12.3 | length 16.4
  Top Layer w0.762: P11.9@82.372,3.788 82.372,7.214 87.249,12.09 Q12.3@87.249,13.405 91.552,13.405 D12.1@91.853,13.706
CVALUE5O2: D13.1 P11.11 Q13.3 | length 24.3
  Top Layer w0.762: P11.11@87.452,3.788 87.452,5.71 88.245,6.502 97.003,6.502 99.219,8.719 Q13.3@99.219,10.941 ; Q13.3@99.187,10.941 Q13.3@99.219,10.941 ; D13.1@103.331,13.405 D13.1@103.632,13.706 103.632,11.76 102.813,10.941 Q13.3@99.219,10.941
EN1_485: R71.1 U8.2 U8.3 U10.56 | length 32.8
  Top Layer w0.254: U10.56@96.323,32.822 97.48,32.822 98.552,31.75 v3(98.552,25.654) ; v3@98.462,25.744 ccw(c98.245,25.961) 98.552,25.961 ccw(c98.859,25.961) v3@98.642,25.744 ; R71.1@109.855,26.67 v3(110.871,26.67) 111.506,26.035 U8.2@112.903,26.035 U8.3@112.903,24.765 ; R71.1@110.013,26.512 cw(c110.393,26.132) 110.393,26.67 cw(c110.393,27.208) R71.1@110.013,26.828 ; v3@110.781,26.58 ccw(c110.564,26.363) 110.564,26.67 ccw(c110.564,26.977) v3@110.781,26.76 ; v3@110.871,26.543 cw(c110.871,26.236) 111.088,26.453 cw(c111.305,26.67) v3@110.998,26.67 ; U8.2@112.387,25.9 ccw(c112.062,25.575) 112.062,26.035 ccw(c112.062,26.495) U8.2@112.387,26.17 ; U8.3@112.768,24.9 ccw(c112.443,25.225) 112.903,25.225 ccw(c113.363,25.225) U8.3@113.038,24.9 ; U8.2@112.768,25.9 cw(c112.443,25.575) 112.903,25.575 cw(c113.363,25.575) U8.2@113.038,25.9
  Bottom Layer w0.254: v3(98.552,25.654) 101.371,28.473 109.118,28.473 v3@110.871,26.721 ; v3@98.552,25.781 ccw(c98.552,26.088) 98.769,25.871 ccw(c98.986,25.654) v3@98.679,25.654 ; 110.618,26.974 cw(c110.315,26.67) v3@110.744,26.67
EN2_485: R77.1 U9.2 U9.3 U10.57 | length 23.9
  Top Layer w0.254: U10.57@96.323,33.322 v3(98.123,33.322) ; v3@98.033,33.232 ccw(c97.816,33.015) 97.816,33.322 ccw(c97.816,33.629) v3@98.033,33.412 ; R77.1@109.855,33.147 v3(110.871,33.147) 111.125,33.147 111.337,33.359 ; R77.1@110.013,32.989 cw(c110.393,32.609) 110.393,33.147 cw(c110.393,33.685) R77.1@110.013,33.305 ; v3@110.781,33.057 ccw(c110.564,32.84) 110.564,33.147 ccw(c110.564,33.454) v3@110.781,33.237 ; v3@110.915,33.266 ccw(c111.053,33.642) 111.337,33.359 ; U9.2@112.387,33.224 ccw(c112.062,32.899) 112.062,33.359 ccw(c112.062,33.819) U9.2@112.387,33.494 ; U9.3@112.768,32.224 ccw(c112.443,32.549) 112.903,32.549 ccw(c113.363,32.549) U9.3@113.038,32.224 ; U9.2@112.768,33.224 cw(c112.443,32.899) 112.903,32.899 cw(c113.363,32.899) U9.2@113.038,33.224 ; U9.3@112.903,32.089 U9.2@112.903,33.359 111.337,33.359
  Bottom Layer w0.254: v3(98.123,33.322) 110.696,33.322 v3(110.871,33.147) ; v3@98.213,33.232 cw(c98.43,33.015) 98.43,33.322 cw(c98.43,33.629) v3@98.213,33.412